# Altium PCB PROC099A_ASCII.PcbDoc (part 1 of 6) (continued)
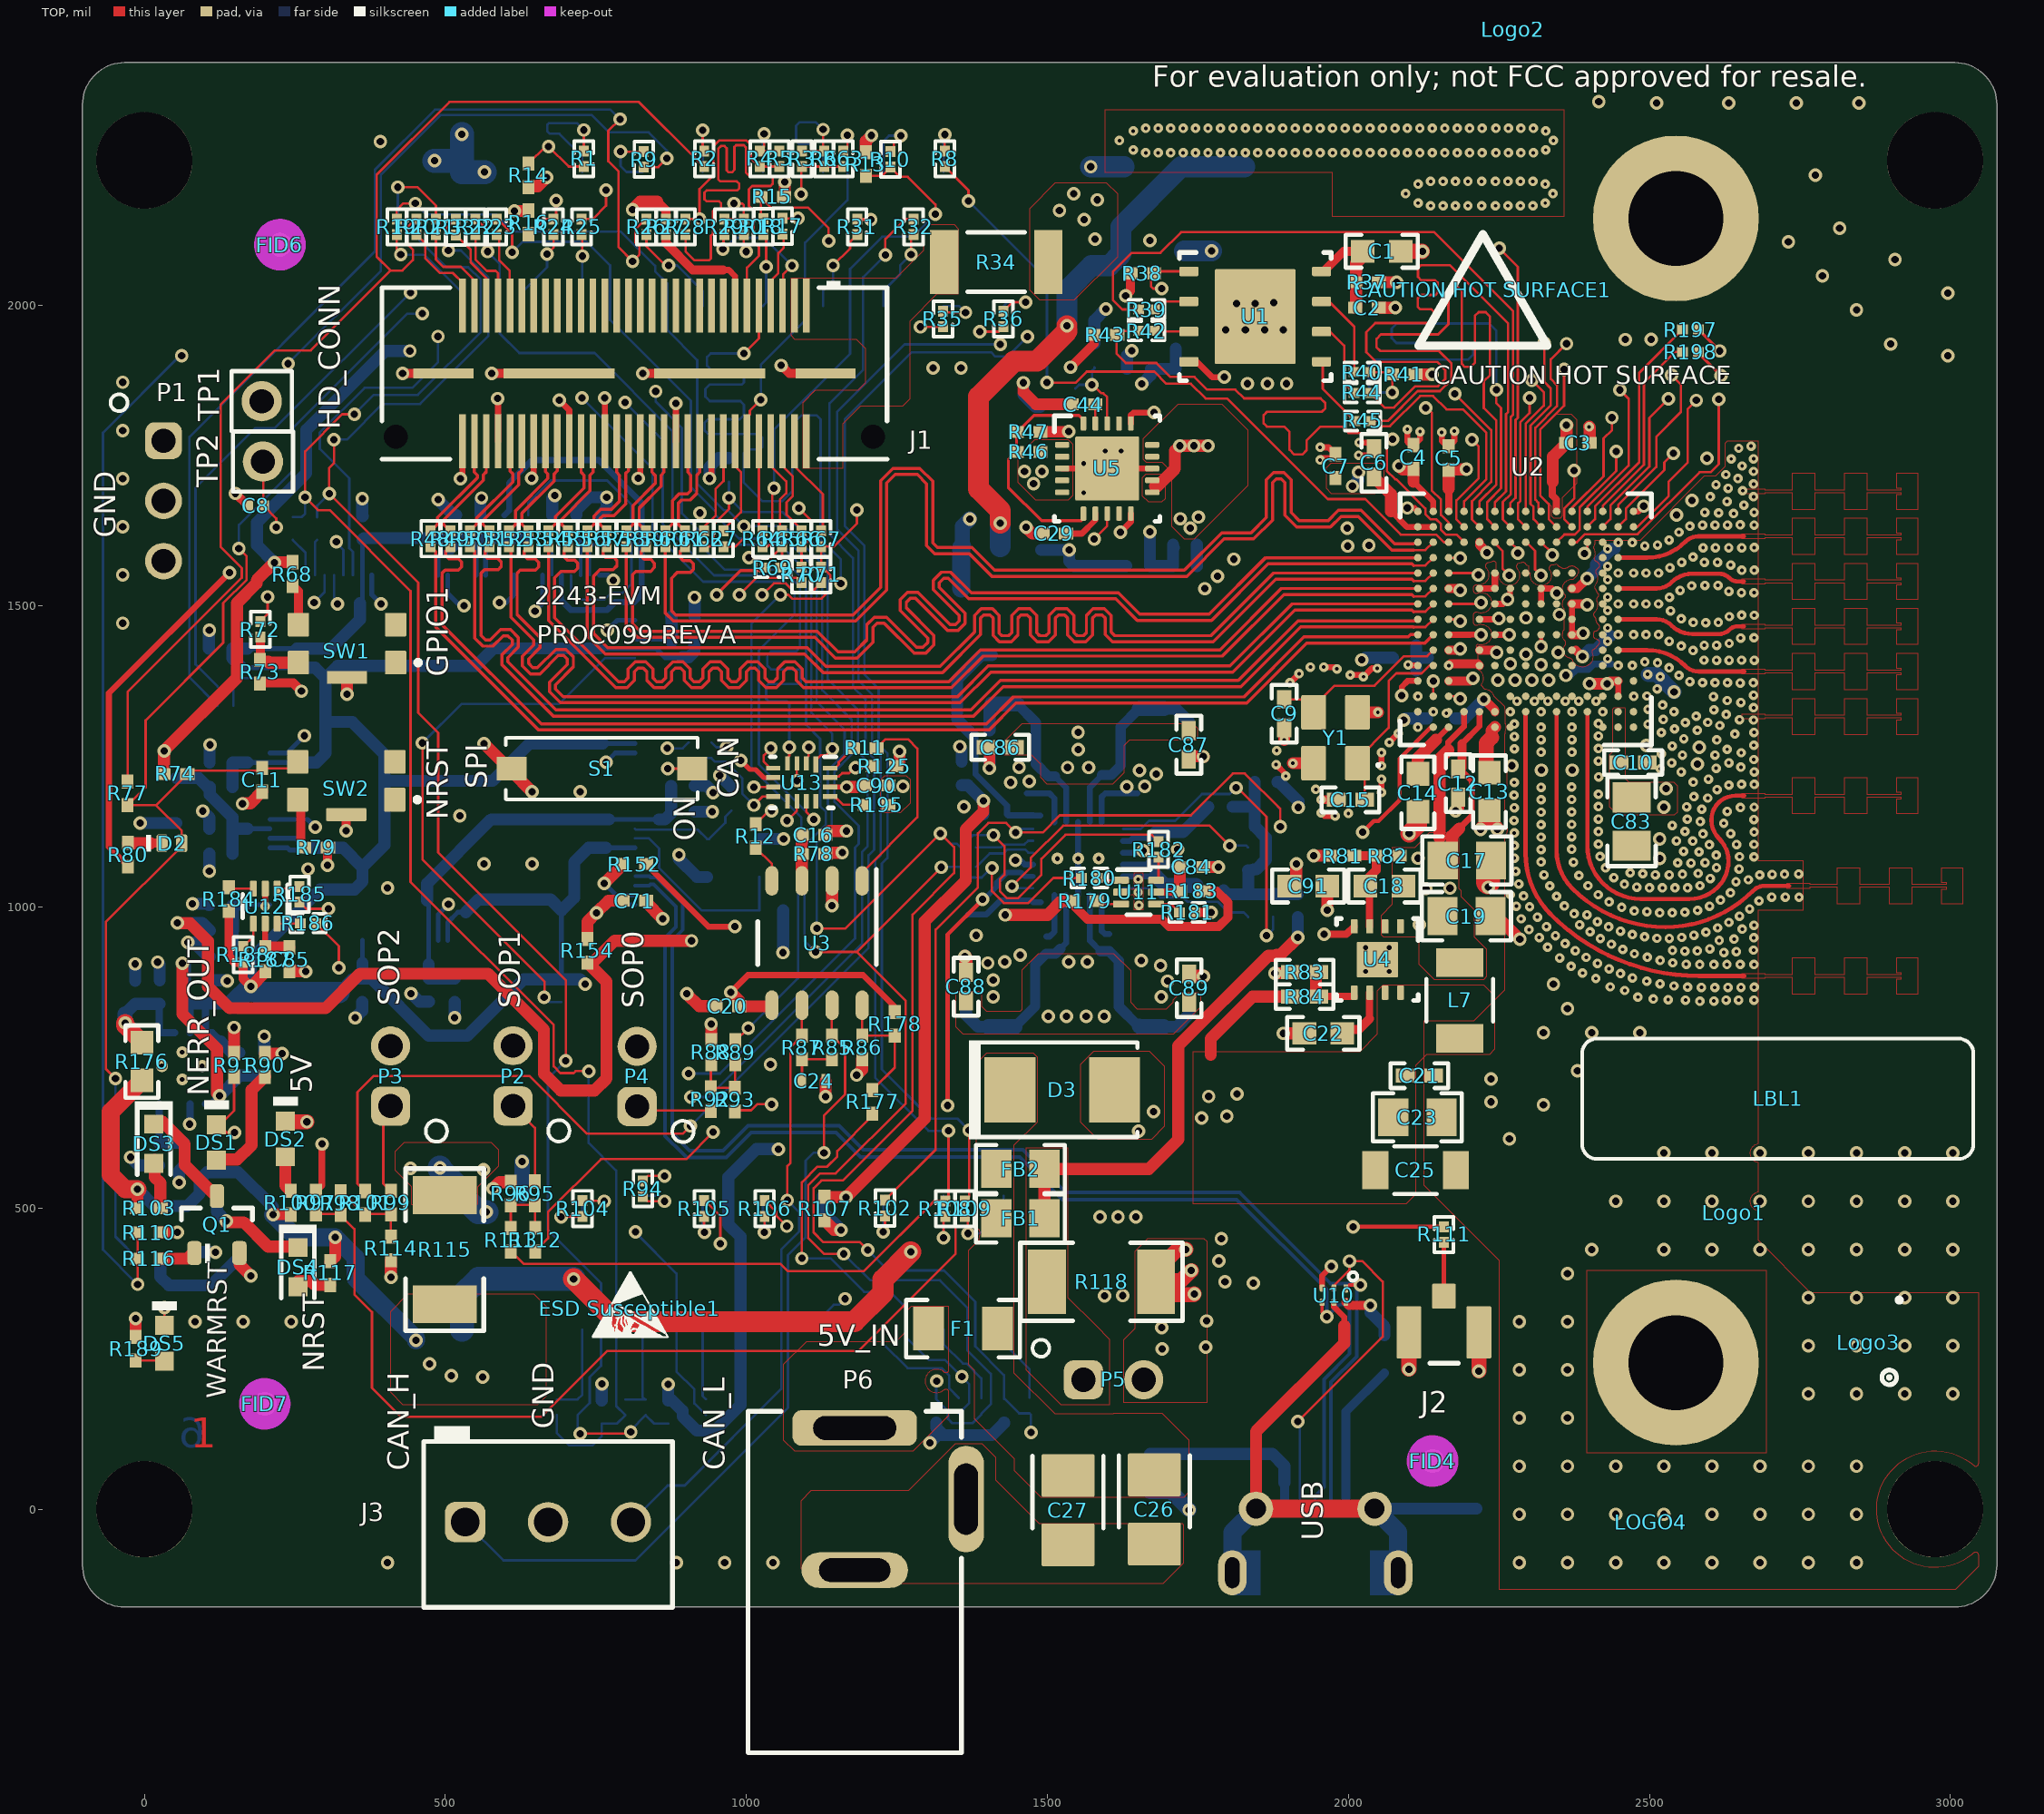
[diagram p0: TOP view]
## Design rules (kind name [scope] priority, off if disabled: settings) (continued)
RoutingPriority [All] p0: scope1count=1 scope1_0_kind=Board scope1_0_value=Board scope2count=1 scope2_0_kind=Board scope2_0_value=Board commentlength=0
RoutingTopology [All] p0: scope1count=1 scope1_0_kind=Board scope1_0_value=Board scope2count=1 scope2_0_kind=Board scope2_0_value=Board commentlength=0 topology=Shortest
RoutingVias [All] p0: scope1count=1 scope1_0_kind=Board scope1_0_value=Board scope2count=1 scope2_0_kind=Board scope2_0_value=Board commentlength=0 holewidth=28 width=50 viastyle="Through Hole" minholewidth=5 minwidth=15 maxholewidth=28 maxwidth=50
RoutingVias [All] p1: holewidth=28 width=50 viastyle="Through Hole" minholewidth=5 minwidth=15 maxholewidth=28 maxwidth=50
ShortCircuit [All] p0: scope1count=1 scope1_0_kind=Board scope1_0_value=Board scope2count=1 scope2_0_kind=Board scope2_0_value=Board commentlength=0 allowed=FALSE
SilkToBoardRegionClearance [All] p0 off: scope1count=1 scope1_0_kind=Board scope1_0_value=Board scope2count=1 scope2_0_kind=Board scope2_0_value=Board commentlength=130 // Protel DXP Scope 1 Expression Was: Not ((IsComment or IsDesignator) And (Hide <> 'False')) and not InRegion(1000,500,4000,800)
SilkToBoardRegionClearance [Not ((IsComment or IsDesignator) And (Hide <> 'False')) and not InRegion(1000,500,4000,800)] p1:
SilkToSilkClearance [All] p0: scope1count=1 scope1_0_kind=Board scope1_0_value=Board scope2count=1 scope2_0_kind=Board scope2_0_value=Board commentlength=0
SilkToSilkClearance [All] p1: silktosilkclearance=3
SilkToSolderMaskClearance [All] p0 off: scope1count=1 scope1_0_kind=Board scope1_0_value=Board scope2count=1 scope2_0_kind=Board scope2_0_value=Board commentlength=44 // Protel DXP Scope 1 Expression Was: IsPad
SilkToSolderMaskClearance [IsPad] p1: minsilkscreentomaskgap=3 clearancetoexposedcopper=TRUE
SolderMaskExpansion [All] p0: scope1count=1 scope1_0_kind=Board scope1_0_value=Board scope2count=1 scope2_0_kind=Board scope2_0_value=Board commentlength=0 expansion=0
SolderMaskExpansion [All] p1: expansion=0
UnRoutedNet [All] p0: scope1count=1 scope1_0_kind=Board scope1_0_value=Board scope2count=1 scope2_0_kind=Board scope2_0_value=Board commentlength=0
UnpouredPolygon [All] p0: scope1count=1 scope1_0_kind=Board scope1_0_value=Board scope2count=1 scope2_0_kind=Board scope2_0_value=Board commentlength=0
Width [All] p0: scope1count=1 scope1_0_kind=Board scope1_0_value=Board scope2count=1 scope2_0_kind=Board scope2_0_value=Board commentlength=0 maxlimit=100 minlimit=4 preferedwidth=10
Width [All] p1: maxlimit=100 minlimit=4 preferedwidth=10
22 further rules are at their usual default settings.

## Classes and differential pairs
component class Shunt: Z19 Z21
net class USB: XDSET_1_D_N XDSET_1_D_P
net class Undefined: NetR128_2
net class SPI: AR_CS1 AR_HOSTINTR1 AR_MISO1 AR_MOSI1 AR_SPICLK1 CS1 D_LOGGER MISO1 MOSI1 NetJ1_7 NetJ1_9 NetJ1_10 NetJ1_11 NetJ1_12 NetJ5_13 NetJ6_12 NetJ6_14 NetJ6_16 SPICLK1
net class RF: RX1 RX2 RX3 RX4 TX1 TX2 TX3
net class QSPI: AR_QSPI_CS AR_QSPI_D0 AR_QSPI_D1 AR_QSPI_D2 AR_QSPI_D3 AR_QSPI_SCLK NetR39_2 NetR40_1 NetR42_2 NetR44_1 NetR45_1
net class PWR: 3V3_BRD 3V3_MON_XDS_1 5V_IN 5V_UNREG +3.3VD AR_1P3_RF1 AR_1P3_RF2 AR_1V2 AR_1V4_APLL AR_1V4_SYNTH AR_1V8 AR_VBGAP AR_VOUT_PA GND MCU_3V3 MCU_5V NetC1_2 NetC18_2 NetC26_1 NetC28_1 NetC46_1 NetC78_1 NetC79_2 NetF1_2 PGOOD PMIC_1V0 PMIC_1V2 PMIC_1V8 PMICOUT_3V3 PMICVIO_3V3 VDDC_1 XDSET_1_VBUS XDSET_VBAT XDSET_VREFA
net class LVDS: AR_LVDS_VALID_N AR_LVDS_VALID_P AR_LVDSCSI0_N AR_LVDSCSI0_P AR_LVDSCSI1_N AR_LVDSCSI1_P AR_LVDSCSI2_N AR_LVDSCSI2_P AR_LVDSCSI3_N AR_LVDSCSI3_P AR_LVDSCSI_CLK_N AR_LVDSCSI_CLK_P AR_LVDSCSI_FRCLK_N AR_LVDSCSI_FRCLK_P HD_LVDS_VALID_N HD_LVDS_VALID_P HD_LVDSCSI0_N HD_LVDSCSI0_P HD_LVDSCSI1_N HD_LVDSCSI1_P HD_LVDSCSI2_N HD_LVDSCSI2_P HD_LVDSCSI3_N HD_LVDSCSI3_P HD_LVDSCSI_CLK_N HD_LVDSCSI_CLK_P HD_LVDSCSI_FRCLK_N HD_LVDSCSI_FRCLK_P
net class JTAG: AR_TCK AR_TDI AR_TDO_SOP0 AR_TMS NetJ1_4 NetJ1_5 NetJ1_6 NetJ1_8 XDSET_TCK XDSET_TDI XDSET_TDO XDSET_TMS
net class GENERAL: AR_ANAMUX AR_ANATEST1 AR_ANATEST2 AR_ANATEST3 AR_ANATEST4 AR_BSS_LOGGER AR_GPIO_0 AR_GPIO_1 AR_GPIO_2 AR_MSS_LOGGER AR_NERR_OUT AR_NERRIN AR_NRST AR_RS232RX AR_RS232TX AR_SCL AR_SDA AR_SYNC_IN AR_SYNC_OUT_SOP1 AR_VSENSE AR_WARMRST LDO_01_EN LDO_02_EN MCU_SOP0 MCU_SOP1 MCU_SOP2 NetC22_1 NetC71_2 NetC86_1 NetC87_1 NetC88_1 NetC89_1 NetD2_1 NetDS1_1 NetDS2_1 NetDS3_1 NetDS3_2 NetDS4_1 NetDS4_2 NetDS5_1 NetJ1_13 NetJ1_14 NetJ1_16 NetJ5_6 NetJ5_8 NetJ5_9 NetJ5_10 NetJ5_12 NetJ5_14 NetJ5_15 NetJ5_16 NetJ5_18 NetJ5_19 NetJ6_1 NetJ6_3 NetJ6_8 NetJ6_9 NetJ6_10 NetJ6_11 NetJ6_13 NetJ6_15 NetJ6_17 NetJ6_18 NetJ6_19 NetQ1_1 NetQ2_1 NetR68_1 NetR72_1 NetR79_2 NetR86_1 NetR88_2 NetR95_1 NetR98_2 NetR123_1 NetR124_1 NetR126_1 NetR127_1 NetR129_2 NetR143_1 NetR144_2 NetR146_1 NetR147_1 NetR152_1 NetR194_2 NetR197_2 NetR198_2 PGOOD PMIC_EN1 PMIC_EN2 PMIC_EN3 PMIC_NRST SS_CTRL SW0 SW1 SW2 SW3 VBUS_1_DETECT XDSET_1_ID XDSET_LOGGER XDSET_NRST
net class CLK: AR_MCUCLKOUT AR_OSC_CLKOUT AR_PMIC_CLKOUT_SOP2 AR_XTALM AR_XTALP NetJ2_1 NetJ5_20 NetJ6_5 PMIC_CLK XDSET_OSC0 XDSET_OSC1
net class CAN: CAN_RX CAN_TX NetC24_2 NetJ3_1 NetJ3_3 NetR11_2 NetR12_2
component class "PROC099A_XDS110 Interface_1B": C49 C63 C66 C67 C70 C71 R123 R124 R126 R127 R128 R129 R134 R135 R136 R140 R152 R154 R155 R194 U6 U7 Y2
component class "PROC099A_XDS110 Interface_1A": C41 C42 C43 C50 C61 C62 C64 C69 C74 C75 C76 C77 C78 C79 C80 J8 R151 R153 R156 R157 R158 R159 R161 R174 R175 R176 U9 U10
component class PROC099A_Tempsensor: C84 C85 R179 R180 R181 R182 R183 R184 R185 R186 R187 R188 U11 U12
component class PROC099A_Decoupling_Caps_Reference: C3 C4 C5 C6 C7 C10 C12 C13 C14 C17 C39 C45 C47 C48 C51 C52 C53 C56 C57 C58 C65 C83
component class PROC099A_QSPI_Flash_Reference: C1 C2 R37 R38 R39 R40 R41 R42 R43 R44 R45 U1
component class PROC099A_Pwr_RST_LEDs: C11 C26 C27 D2 D3 DS1 DS2 DS3 DS4 DS5 F1 FB1 FB2 P5 P6 Q1 Q2 R68 R72 R73 R74 R77 R79 R80 R90 R100 R103 R110 R116 R117 R118 R130 R133 R160 R189 SW1 SW2
component class PROC099A_PMIC_Reference: C54 C55 C59 C60 C68 C72 C73 C81 C82 C86 C87 C88 C89 L1 L2 L3 L4 R138 R139 R141 R142 R143 R144 R145 R146 R147 R148 R149 R150 R190 R191 R192 R193 U8
component class "PROC099A_LP Connector": J4 J5 J6 J7 P1 R1 R2 R3 R4 R5 R6 R8 R9 R10 R18 R19 R24 R25 R26 R31 R32 R35 R36 R76 R94 R102 R104 R105 R106 R107 R108 R109 R115 R162 R163 R164 R165 R166 R167 R168 R169 R172 R173
component class PROC099A_LDO: C18 C21 C22 C23 C25 C28 C29 C30 C31 C32 C35 C37 C40 C44 C46 R46 R47 R81 R82 R83 R84 R119 R120 R121 R122 R131 R132 U4 U5
component class "PROC099A_HD Connector": J1 J2 R7 R17 R20 R21 R22 R23 R27 R28 R29 R30 R33 R34 R48 R49 R50 R51 R52 R53 R54 R55 R56 R57 R58 R59 R60 R61 R62 R63 R64 R65 R66 R67 R69 R70 R71 R75 R111
component class PROC099A_SOP_Headers_Reference: P2 P3 P4 R88 R89 R92 R93 R95 R96 R97 R98 R99 R101 R112 R113 R114
component class "PROC099A_CAN Interface": C16 C20 C24 C90 J3 R11 R12 R78 R85 R86 R87 R125 R177 R178 R195 S1 U3 U13
component class Header: P1 P2 P3 P4 P5
component class Label: LBL1
component class AssemblyNote: ZZ1 ZZ2 ZZ3 ZZ4 ZZ5
component class FiducialMark: FID1 FID2 FID3 FID4 FID5 FID6 FID7
component class PROC099A_Hardware: "CAUTION HOT SURFACE1" "ESD Susceptible1" FID1 FID2 FID3 FID4 FID5 FID6 FID7 LBL1 Logo1 Logo2 Logo3 LOGO4 ZZ1 ZZ2 ZZ3 ZZ4 ZZ5
component class Logo: Logo1
component class PROC099A_DUT_Reference: C8 C9 C15 R13 R14 R15 R16 R91 R170 R171 R196 R197 R198 TP1 TP2 U2 Y1
component class PROC099A_LC_Filtering_Reference: C19 C33 C34 C36 C38 C91 L5 L7 L8 L9 R137
differential pair XDSET_1_D: +XDSET_1_D_P -XDSET_1_D_N
differential pair HD_LVDSCSI_FRCLK: +HD_LVDSCSI_FRCLK_P -HD_LVDSCSI_FRCLK_N
differential pair HD_LVDSCSI_CLK: +HD_LVDSCSI_CLK_P -HD_LVDSCSI_CLK_N
differential pair HD_LVDSCSI3: +HD_LVDSCSI3_P -HD_LVDSCSI3_N
differential pair HD_LVDSCSI2: +HD_LVDSCSI2_P -HD_LVDSCSI2_N
differential pair HD_LVDSCSI1: +HD_LVDSCSI1_P -HD_LVDSCSI1_N
differential pair HD_LVDSCSI0: +HD_LVDSCSI0_P -HD_LVDSCSI0_N
differential pair HD_LVDS_VALID: +HD_LVDS_VALID_P -HD_LVDS_VALID_N
differential pair AR_LVDSCSI_FRCLK: +AR_LVDSCSI_FRCLK_P -AR_LVDSCSI_FRCLK_N
differential pair AR_LVDSCSI_CLK: +AR_LVDSCSI_CLK_P -AR_LVDSCSI_CLK_N
differential pair AR_LVDSCSI3: +AR_LVDSCSI3_P -AR_LVDSCSI3_N
differential pair AR_LVDSCSI2: +AR_LVDSCSI2_P -AR_LVDSCSI2_N
differential pair AR_LVDSCSI1: +AR_LVDSCSI1_P -AR_LVDSCSI1_N
differential pair AR_LVDSCSI0: +AR_LVDSCSI0_P -AR_LVDSCSI0_N
differential pair " ": +AR_LVDS_VALID_P -AR_LVDS_VALID_N

## Components (designator, comment, footprint, x,y, rotation, side; value= is the part's Value field where it differs from the comment)
C1 "GCM188R71C105KA64D" 0603 2055.47,2088.99 r180 top
C2 "CGA2B3X7R1H104K050BB" 0402L 2030.78,1995.26 r180 top
C3 "GCM155R71C224KE02D" 0402L 2381.16,1770.8 r0 top
C4 "GCM155R71C104KA55D" 0402L 2108,1747.43 r90 top
C5 "GCM155R71C224KE02D" 0402L 2166.55,1745.78 r90 top
C6 "GCM155R71C104KA55D" 0402 2042.55,1737.8 r90 top
C7 "GCM155R71C224KE02D" 0402L 1978.55,1732.41 r90 top
C8 "C0603X7S1A104K030BC" 0201_033 184.69,1666.75 r180 top
C9 "GJM1555C1H4R7BB01D" 0402 1893.4,1321.21 r270 top
C10 "GCM155R71C224KE02D" 0402 2473,1240 r0 top
C11 "GCM155R71C104KA55D" 0402L 195.7,1211.25 r90 top
C12 "GCM155R71C224KE02D" 0402 2182.55,1205.8 r270 top
C13 "GCM188R71C105KA64D" 0603 2234.45,1191.9 r270 top
C14 "GCM188R71C105KA64D" 0603 2115.45,1189.8 r270 top
C15 "GJM1555C1H4R7BB01D" 0402 2003.47,1178.2 r0 top
C16 "C0402C104K8RACTU" 0402L 1111.7,1119.67 r180 top
C17 "GCM21BR71A106KE22L" 0805_HV 2196.81,1077.38 r0 top
C18 "GCM188R71C474KA55D" 0603 2059.87,1034.87 r180 top
C19 "GCM21BR71A106KE22L" 0805_HV 2196.23,984.99 r0 top
C20 "C0402C104K8RACTU" 0402L 968.28,835.45 r0 top
C21 "CGA2B3X7R1H104K050BB" 0402 2117.99,720.01 r0 top
C22 "GCM188R71C474KA55D" 0603 1958.47,790.27 r180 top
C23 "GCM21BR71A106KE22L" 0805_HV 2114.63,650.9 r0 top
C24 "GCM155R71H472KA37D" 0402S 1112.06,711.14 r180 top
C25 "CGA5L1X7R0J226M160AC" 1206_180 2111.8,563.22 r0 top
C26 "T491B476K010AT" 3528-21 1677.7,-0.35 r270 top
C27 "T491B476K010AT" 3528-21 1534.3,-1.55 r270 top
C28 "CGA2B3X8R1H103K050BB" 0402L 1732.83,1927.64 r0 bottom
C29 "CGA2B3X8R1H103K050BB" 0402L 1511.34,1620.25 r0 top
C30 "CGA5L1X7R0J226M160AC" 1206_180 1402,1796.5 r270 bottom
C31 "CGA5L1X7R0J226M160AC" 1206_180 1310.2,1796.25 r270 bottom
C32 "GCM21BR71A106KE22L" 0805 1487.95,1795 r270 bottom
C33 "GCM188R71C105KA64D" 0603 1802.6,1785.62 r270 bottom
C34 "GCM21BR71A106KE22L" 0805_HV 1875,1790 r270 bottom
C35 "GCM21BR71A106KE22L" 0805_HV 1955,1790 r270 bottom
C36 "GCM188R71C105KA64D" 0603 1802.53,1642.85 r90 bottom
C37 "GCM21BR71A106KE22L" 0805_HV 1955,1640.8 r90 bottom
C38 "GCM21BR71A106KE22L" 0805_HV 1875,1640.8 r90 bottom
C39 "GCM155R71C224KE02D" 0402L 2465,1595 r0 bottom
C40 "GCM21BR71A106KE22L" 0805_HV1 1489.95,1632.3 r90 bottom
C41 "GCM155C71A105KE38D" 0402_070 558.3,1631.85 r90 bottom
C42 "C0402C104K8RACTU" 0402L 518.22,1631.85 r270 bottom
C43 "C0402C104K8RACTU" 0402L 362.52,1629.85 r270 bottom
C44 "CGA2B3X8R1H103K050BB" 0402L 1559.98,1834.93 r0 top
C45 "GCM21BR71A106KE22L" 0805_HV1 2575,1570 r180 bottom
C46 "CGA2B3X8R1H103K050BB" 0402L 1728.5,1566.52 r0 bottom
C47 "GCM155R71C224KE02D" 0402L 2465,1555 r0 bottom
C48 "GCM155R71C224KE02D" 0402 2077.55,1552.7 r90 bottom
C49 "C0402C104K8RACTU" 0402L 894.35,1481.9 r180 bottom
C50 "C0402C103K4RACTU" 0402S 126.65,1429.4 r180 bottom
C51 "GCM155R71C224KE02D" 0402 2435.27,1426.58 r270 bottom
C52 "GCM21BR71A106KE22L" 0805_HV 2498.15,1421.4 r270 bottom
C53 "GCM155R71C224KE02D" 0402 2093.35,1414 r180 bottom
C54 "GCM31CR71A226KE02" 1206_180 1592.83,1428.59 r90 bottom
C55 "GCM31CR71A226KE02" 1206_180 1506.18,1429.62 r90 bottom
C56 "GCM155R71C224KE02D" 0402 2153.83,1313.3 r180 bottom
C57 "GCM155R71C224KE02D" 0402 2458.2,1287.95 r270 bottom
C58 "GCM21BR71A106KE22L" 0805 2541.18,1281.31 r270 bottom
C59 "GCM21BR71A106KE22L" 0805_HV1 1480.85,1272.15 r180 bottom
C60 "GCM21BR71A106KE22L" 0805_HV1 1621.95,1271.3 r0 bottom
C61 "GCM155C71A105KE38D" 0402_070 127.65,1240.06 r180 bottom
C62 "GCM155C71A105KE38D" 0402_070 894.65,1201.5 r0 bottom
C63 "GCM1555C1H8R0DA16D" FP-GCM1555C1H8R0DA16_0402-MFG 1041.3,994.36 r0 bottom
C64 "C0402C104K8RACTU" 0402L 894.65,1158.3 r180 bottom
C65 "GCM21BR71A106KE22L" 0805_HV 2476.6,1139.95 r270 bottom
C66 "C0402C103K4RACTU" 0402L 127.19,1130.1 r0 bottom
C67 "C0402C104K8RACTU" 0402L 127.25,1088.8 r0 bottom
C68 "GCM155R71C224KE02D" 0402L 1739.45,1067 r180 bottom
C69 "C0402C103K4RACTU" 0402L 127.65,1003.56 r0 bottom
C70 "GCM1555C1H8R0DA16D" FP-GCM1555C1H8R0DA16_0402-MFG 975,1179.85 r90 bottom
C71 "C0402C104K8RACTU" 0402L 814,1010.5 r180 top
C72 "GCM21BR71A106KE22L" 0805_HV1 1618.65,868.7 r0 bottom
C73 "GCM21BR71A106KE22L" 0805_HV1 1479.85,868.7 r180 bottom
C74 "C1005X7S1A225K050BC" 0402_065L 515.6,862.15 r90 bottom
C75 "C0402C104K8RACTU" 0402L 472.68,862.15 r90 bottom
C76 "C0402C104K8RACTU" 0402L 361.92,861.85 r90 bottom
C77 "C1005X7S1A225K050BC" 0402_065L 107.82,859.15 r270 bottom
C78 "04025A150FAT2A" 0402L 67.1,859.15 r270 bottom
C79 "C0402C104K8RACTU" 0402L 25.62,858.85 r270 bottom
C80 "C1005X7S1A225K050BC" 0402_065L -15.4,858.5 r270 bottom
C81 "GCM31CR71A226KE02" 1206_180 1499.96,711.43 r270 bottom
C82 "GCM31CR71A226KE02" 1206_180 1597.69,711.75 r270 bottom
C83 "GCM21BR71A106KE22L" 0805_HV 2470.42,1141.98 r270 top
C84 "C0402C104K8RACTU" 0402L 1739.35,1066.5 r180 top
C85 "C0402C104K8RACTU" 0402L 241.11,913.35 r270 top
C86 "GRM1555C1H391JA01D" 0402 1421.7,1265.35 r0 top
C87 "GRM1555C1H391JA01D" 0402 1735,1269.65 r90 top
C88 "GRM1555C1H391JA01D" 0402 1365.04,867.78 r270 top
C89 "GRM1555C1H391JA01D" 0402 1735.6,865.35 r270 top
C90 "C0402C104K8RACTU" 0402L 1216.27,1201.97 r180 top
C91 "GCM188R71C105KA64D" 0603 1933.5,1034.87 r0 top
"CAUTION HOT SURFACE1" "CAUTION HOT SURFACE" IEC_HotSurface_Small 2223.32,2025.12 r0 top
D2 "SMS3923-040LF" SOD-882 45.81,1106.06 r0 top locked
D3 "SZP6SMB6.8AT3G" SMB 1524.64,696.5 r0 top
DS1 "SML-LX0603SRW-TR" SML-LX0603SRW_SuperRed 119.71,609.17 r90 top
DS2 "SML-LX0603SRW-TR" SML-LX0603SRW_SuperRed 234.35,614.83 r90 top
DS3 "SML-E12Y8WT86" SML-E1_Yellow 15.8,607.06 r270 top
DS4 "SML-E12Y8WT86" SML-E1_Yellow 255.01,402.19 r270 top
DS5 "SML-LX0603SRW-TR" SML-LX0603SRW_SuperRed 33.45,275.58 r90 top
"ESD Susceptible1" "ESD Susceptible" ESD_Overlay_Small 806.3,333.85 r0 top
F1 "32V, 5A" 1206 1360,300 r180 top
FB1 "BLM21PG300SH1D" 0805_HV 1455.18,483.01 r0 top
FB2 "BLM21PG300SH1D" 0805_HV 1455.18,565.13 r0 top
FID1 "Fiducial" Fiducial10-20 225,2200 r90 bottom
FID2 "Fiducial" Fiducial10-20 200,70 r90 bottom
FID3 "Fiducial" Fiducial10-20 2925,2008 r90 bottom
FID4 "Fiducial" Fiducial10-20 2140,80 r90 top
FID5 "Fiducial" Fiducial10-20 2140,80 r90 bottom
FID6 "Fiducial" Fiducial10-20 225.13,2099.98 r90 top
FID7 "Fiducial" Fiducial10-20 200,175 r90 top
J1 "QSH-030-01-L-D-A" Samtec_QSH-030-01-X-D-A 814.05,1886.26 r270 top locked
J2 "128-0711-201" Johnson_128-0711-201 2158.71,293.72 r0 top
J3 "OSTTE030161" On-Shore_OSTTE030161 670.6,-21.34 r0 top
J4 "SSM-103-S-SV" Samtec_SSM-103-x-SV 1727.5,2159.5 r0 bottom
J5 "SSM-110-S-DV" Samtec_SSM-110-x-DV 977.5,409.5 r0 bottom locked
J6 "SSM-110-S-DV" Samtec_SSM-110-x-DV 977.5,2109.5 r0 bottom locked
J7 "SSM-103-S-SV" Samtec_SSM-103-x-SV 1727.5,359.5 r0 bottom
J8 "105017-0001" CONN_105017-0001 1945,-52.27 r180 bottom locked
L1 "DFE252012P-R47M=P2" DFE252012P 1694.05,1366.3 r90 bottom
L2 "DFE252012P-R47M=P2" DFE252012P 1407.85,1376.9 r90 bottom
L3 "DFE252012P-R47M=P2" DFE252012P 1693.55,761.8 r270 bottom
L4 "DFE252012P-R47M=P2" DFE252012P 1401.55,761.8 r270 bottom
L5 "NLCV32T-R10M-EFRD" NLCV32 1677.4,1699.74 r0 bottom
L7 "NLCV32T-R10M-EFRD" NLCV32 2185,845 r90 top
L8 "NLCV32T-R10M-EFRD" NLCV32 1677.4,1817.43 r0 bottom
L9 "NLCV32T-R10M-EFRD" NLCV32 1740.13,1487.07 r0 bottom
LBL1 "Label" Label_650x200 2713.27,681.66 r0 top locked
Logo1 "Texas Instruments" TI_Stacked_Overlay_Small 2640.11,492.24 r0 top
Logo2 "FCC disclaimer" FCC_disclaimer 2273.36,2458.06 r0 top
Logo3 "WEEE logo" WEEE_Minimum 2864.39,277.26 r0 top
LOGO4 "CE Mark" CE_Mark_5mm 2502.7,-21.5 r0 top
P1 "TSW-103-07-T-S" Samtec_TSW-103-07-T-S 31.94,1674.53 r270 top
P2 "TSW-102-07-G-S" TSW-102-07-G-S 612.44,719.75 r90 top
P3 "TSW-102-07-G-S" TSW-102-07-G-S 409,719.42 r90 top
P4 "TSW-102-07-G-S" TSW-102-07-G-S 818.44,718.75 r90 top
P5 "TSW-102-07-G-S" TSW-102-07-G-S 1610,215 r0 top
P6 "PJ-002AH" CUI_PJ-002AH 1180,16.89 r270 top
Q1 "BSS123" SOT-23 120.58,472.75 r90 top
Q2 "BSS123" SOT-23 120.62,472.17 r90 bottom
R1 "CRCW02010000Z0ED" 0201_Silk 730.05,2242.72 r270 top
R2 "CRCW02010000Z0ED" 0201_Silk 930.05,2242.72 r270 top
R3 "CRCW02010000Z0ED" 0201_Silk 1092.38,2242.72 r270 top
R4 "CRCW02010000Z0ED" 0201_Silk 1022.55,2242.72 r270 top
R5 "CRCW02010000Z0ED" 0201_Silk 1054.91,2242.72 r270 top
R6 "CRCW02010000Z0ED" 0201_Silk 1129,2242.72 r270 top
R7 "CRCW02010000Z0ED" 0201_Silk 962.11,1611.72 r270 top
R8 "CRCW02010000Z0ED" 0201_Silk 1329.55,2242.72 r270 top
R9 "CRCW02010000Z0ED" 0201_Silk 829.75,2241.72 r270 top
R10 "CRCW02010000Z0ED" 0201_Silk 1239.25,2241.72 r270 top
R11 "ERJ-2GE0R00X" 0402L 1196.59,1264.15 r0 top
R12 "ERJ-2GE0R00X" 0402L 1015.51,1118 r270 top
R13 "CRCW040210K0FKED" 0402L 1198.4,2234.05 r270 top
R14 "CRCW040210K0FKED" 0402L 638.26,2215.06 r270 top
R15 "CRCW040210K0FKED" 0402L 1042.8,2179.56 r0 top
R16 "CRCW040210K0FKED" 0402L 638.2,2137.15 r90 top
R17 "CRCW02010000Z0ED" 0201_Silk 1060.25,2130.72 r270 top
R18 "CRCW02010000Z0ED" 0201_Silk 1028.21,2130.07 r270 top
R19 "CRCW02010000Z0ED" 0201_Silk 419.25,2129.72 r270 top
R20 "CRCW02010000Z0ED" 0201_Silk 452.11,2129.72 r270 top
R21 "CRCW02010000Z0ED" 0201_Silk 484.35,2129.72 r270 top
R22 "CRCW02010000Z0ED" 0201_Silk 550.11,2129.72 r270 top
R23 "CRCW02010000Z0ED" 0201_Silk 585.61,2129.72 r270 top
R24 "CRCW02010000Z0ED" 0201_Silk 679.75,2129.72 r270 top
R25 "CRCW02010000Z0ED" 0201_Silk 726.25,2129.72 r270 top
R26 "CRCW02010000Z0ED" 0201_Silk 834.11,2129.72 r270 top
R27 "CRCW02010000Z0ED" 0201_Silk 866.61,2129.72 r270 top
R28 "CRCW02010000Z0ED" 0201_Silk 899.11,2129.72 r270 top
R29 "CRCW02010000Z0ED" 0201_Silk 963.83,2129.72 r270 top
R30 "CRCW02010000Z0ED" 0201_Silk 995.75,2129.72 r270 top
R31 "CRCW02010000Z0ED" 0201_Silk 1184,2129.68 r270 top
R32 "CRCW02010000Z0ED" 0201_Silk 1277.55,2129.72 r270 top
R33 "CRCW02010000Z0ED" 0201_Silk 517.39,2129.28 r270 top
R34 "CRCW20100000Z0EF" 2010L 1415.06,2071.26 r0 top
R35 "CRCW02010000Z0ED" 0201_Silk 1326.75,1976.72 r90 top
R36 "CRCW02010000Z0ED" 0201_Silk 1427.25,1976.72 r90 top
R37 "ERJ-2GE0R00X" 0402L 2030.93,2037.7 r180 top
R38 "CRCW040247K5FKED" 0402L 1657.69,2052.34 r180 top
R39 "CRCW020133R2FNED" 0201_Silk 1664.78,1992.45 r0 top
R40 "CRCW020133R2FNED" 0201_Silk 2022.78,1888.35 r0 top
R41 "CRCW040210K0FKED" 0402L 2091.65,1884.48 r0 top
R42 "CRCW020133R2FNED" 0201_Silk 1664.78,1956.85 r0 top
R43 "CRCW040210K0FKED" 0402L 1596.29,1950.4 r180 top
R44 "CRCW020133R2FNED" 0201_Silk 2022.78,1853.85 r0 top
R45 "CRCW020133R2FNED" 0201_Silk 2023.78,1807.35 r0 top
R46 "CRCW040210K0FKED" 0402L 1468.54,1756.11 r180 top
R47 "CRCW040210K0FKED" 0402L 1468.54,1788.74 r0 top
R48 "CRCW02010000Z0ED" 0201_Silk 475.61,1611.72 r270 top
R49 "CRCW02010000Z0ED" 0201_Silk 508.25,1611.72 r270 top
R50 "CRCW02010000Z0ED" 0201_Silk 540.75,1611.72 r270 top
R51 "CRCW02010000Z0ED" 0201_Silk 573.25,1611.72 r270 top
R52 "CRCW02010000Z0ED" 0201_Silk 605.75,1611.72 r270 top
R53 "CRCW02010000Z0ED" 0201_Silk 638.25,1611.72 r270 top
R54 "CRCW02010000Z0ED" 0201_Silk 671.35,1611.72 r270 top
R55 "CRCW02010000Z0ED" 0201_Silk 703.85,1611.72 r270 top
R56 "CRCW02010000Z0ED" 0201_Silk 735.75,1611.72 r270 top
R57 "CRCW02010000Z0ED" 0201_Silk 768.05,1611.72 r270 top
R58 "CRCW02010000Z0ED" 0201_Silk 800.55,1611.72 r270 top
R59 "CRCW02010000Z0ED" 0201_Silk 833.05,1611.72 r270 top
R60 "CRCW02010000Z0ED" 0201_Silk 865.55,1611.72 r270 top
R61 "CRCW02010000Z0ED" 0201_Silk 897.75,1611.72 r270 top
R62 "CRCW02010000Z0ED" 0201_Silk 929.85,1611.72 r270 top
R63 "CRCW02010000Z0ED" 0201_Silk 1161.25,2242.72 r270 top
R64 "CRCW02010000Z0ED" 0201_Silk 1026.61,1611.72 r270 top
R65 "CRCW02010000Z0ED" 0201_Silk 1059.25,1611.72 r270 top
R66 "CRCW02010000Z0ED" 0201_Silk 1091.75,1611.72 r270 top
R67 "CRCW02010000Z0ED" 0201_Silk 1124.25,1611.72 r270 top
R68 "ERJ-2GEJ101X" 0402L 246.04,1553.15 r90 top
R69 "CRCW02010000Z0ED" 0201_Silk 1044.1,1563.62 r180 top
R70 "CRCW02010000Z0ED" 0201_Silk 1091.33,1551.72 r270 top
R71 "CRCW02010000Z0ED" 0201_Silk 1124.33,1551.72 r270 top
R72 "CRCW02010000Z0ED" 0201_Silk 192.5,1461.25 r90 top
R73 "CRCW040210K0FKED" 0402L 192.05,1390.92 r90 top
R74 "CRCW040210K0FKED" 0402L 51.65,1221.14 r180 top
R75 "CRCW02010000Z0ED" 0201_Silk 904.07,1260.47 r90 bottom
R76 "CRCW02010000Z0ED" 0201_Silk 941.93,1260.47 r90 bottom
R77 "ERJ-2GEJ101X" 0402L -27.74,1188.85 r270 top
R78 "ERJ-2GE0R00X" 0402L 1111.7,1088.29 r0 top
R79 "ERJ-2GEJ101X" 0402L 285.35,1098.84 r180 top
R80 "ERJ-2GEJ101X" 0402L -27.26,1087.15 r90 top
R81 "CRCW040210K0FKED" 0402L 1989.89,1085.17 r0 top
R82 "CRCW040212K7FKED" 0402L 2065.31,1085.13 r0 top
R83 "CRCW040210K0FKED" 0402 1927.35,892.02 r0 top
R84 "CRCW040210K0FKED" 0402 1927.35,851.22 r180 top
R85 "CRCW040261R9FKED" 0402L 1142.37,766.8 r90 top
R86 "CRCW040210K0FKED" 0402L 1192.37,766.8 r270 top
R87 "CRCW040261R9FKED" 0402L 1092.37,766.8 r270 top
R88 "CRCW040282K5FKED" 0402L 941.42,759.15 r270 top
R89 "CRCW040210K0FKED" 0402L 981.88,758.85 r270 top
R90 "ERJ-2GEJ361X" 0402L 200.46,737.79 r90 top
R91 "CRCW040210K0FKED" 0402L 149,737.88 r90 top
R92 "CRCW04027K87FKED" 0402L 940.92,681.15 r270 top
R93 "CRCW0402750RFKED" 0402L 981.12,680.36 r270 top
R94 "CRCW02010000Z0ED" 0201_Silk 828.25,532.28 r90 top
R95 "CRCW04027K87FKED" 0402L 648.82,524.55 r90 top
R96 "CRCW040282K5FKED" 0402L 608.78,524.25 r270 top
R97 "ERJ-2GE0R00X" 0402L 285,509.15 r90 top
R98 "CRCW040210K0FKED" 0402L 325.82,508.36 r90 top
R99 "CRCW04027K87FKED" 0402L 409.62,509.15 r90 top
R100 "ERJ-2GEJ511X" 0402L 242.91,509.06 r270 top
R101 "CRCW0402750RFKED" 0402L 366.98,508.85 r90 top
R102 "CRCW02010000Z0ED" 0201_Silk 1230.25,500.28 r90 top
R103 "ERJ-2GEJ511X" 0402L 7.57,500.07 r180 top
R104 "CRCW02010000Z0ED" 0201_Silk 727.75,499.28 r90 top
R105 "CRCW02010000Z0ED" 0201_Silk 929.75,499.28 r90 top
R106 "CRCW02010000Z0ED" 0201_Silk 1030.25,499.28 r90 top
R107 "ERJ-2GE0R00X" 0402L 1129.75,499.28 r90 top
R108 "CRCW02010000Z0ED" 0201_Silk 1330.35,499.08 r90 top
R109 "CRCW02010000Z0ED" 0201_Silk 1362.85,499.08 r90 top
R110 "CRCW0402100KFKED" 0402L 7.72,459.77 r180 top
R111 "CRCW02010000Z0ED" 0201_Silk 2158.86,456.17 r270 top
R112 "CRCW0402750RFKED" 0402L 649.32,447.55 r270 top
R113 "CRCW040210K0FKED" 0402L 608.92,447.55 r90 top
R114 "CRCW040282K5FKED" 0402L 409.52,433.15 r90 top
R115 "CRCW20100000Z0EF" 2010 498.73,431.05 r270 top
R116 "ERJ-2GEJ511X" 0402L 7.78,416.33 r0 top
R117 "ERJ-2GEJ511X" 0402L 308.61,392.15 r90 top
R118 "CRCW20100000Z0EF" 2010 1589.87,377.74 r0 top
R119 "ERJ-2GE0R00X" 0402L 1577.96,1916.14 r270 bottom
R120 "ERJ-2GE0R00X" 0402L 1546.63,1841.79 r270 bottom
R121 "CRCW04023K00FKED" 0402L 1652.02,1893.62 r0 bottom
R122 "CRCW04021K96FKED" 0402L 1732.83,1893.62 r0 bottom
R123 "CRCW04021K00FKED" 0402L 757.28,1632.15 r90 bottom
R124 "CRCW04021K00FKED" 0402L 637.72,1631.85 r270 bottom
R125 "CRCW040210K0FKED" 0402L 1229.27,1234.12 r0 top
R126 "CRCW04021K00FKED" 0402L 717.68,1632.15 r90 bottom
R127 "CRCW04021K00FKED" 0402L 598.12,1631.85 r270 bottom
R128 "ERJ-2GE0R00X" 0402L 246.5,1628.85 r270 bottom
R129 "ERJ-2GE0R00X" 0402L 287,1628.5 r270 bottom
R130 "MCT06030Z0000ZP500" 0603 1390.31,1598.71 r180 bottom
R131 "CRCW04021K96FKED" 0402L 1728.74,1601.78 r0 bottom
R132 "CRCW04023K00FKED" 0402L 1650.78,1566.52 r0 bottom
R133 "MCT06030Z0000ZP500" 0603 1388.69,1529.05 r180 bottom
R134 "CRCW040249R9FKED" 0402L 894.65,1440.6 r0 bottom
R135 "CRCW02010000Z0ED" 0201_Silk 134.78,1366.19 r0 bottom
R136 "CRCW02010000Z0ED" 0201_Silk 134.78,1334.29 r0 bottom
R137 "MCT06030Z0000ZP500" 0603 2628.57,1278.19 r270 bottom
R138 "CRCW0402100KFKED" 0402L 1357.78,1221.96 r270 bottom
R139 "CRCW04021K96FKED" 0402L 1863.35,1207.54 r180 bottom
R140 "CRCW04021K00FKED" 0402L 127.65,1199.52 r0 bottom
R141 "ERJ-2GE0R00X" 0402L 1413.4,1154.01 r180 bottom
R142 "ERJ-2RKF4991X" 0402L 1863.35,1167.04 r180 bottom
R143 "CRCW04024K99FKED" 0402L 1786.35,1166.5 r0 bottom
R144 "CRCW02010000Z0ED" 0201_Silk 1368.78,1066.69 r0 bottom
R145 "CRCW040210K0FKED" 0402L 1833.44,1080.15 r270 bottom
R146 "CRCW02010000Z0ED" 0201_Silk 1368.78,1099.19 r180 bottom
R147 "CRCW04024K99FKED" 0402L 1774,1027.5 r0 bottom
R148 "CRCW040210K0FKED" 0402L 1875,1002.5 r90 bottom
R149 "ERJ-2GEJ102X" 0402L 1916.14,1002.15 r270 bottom
R150 "ERJ-2RKF4991X" 0402L 1833.74,1002.15 r270 bottom
R151 "CRCW0402330KFKED" 0402L 127.65,961.04 r180 bottom
R152 "ERJ-2GE0R00X" 0402L 814,1071.5 r0 top
R153 "CRCW0402330KFKED" 0402L 127.65,917.74 r0 bottom
R154 "ERJ-2GEJ101X" 0402L 736,927.5 r270 top
R155 "CRCW040210K0FKED" 0402L 692.78,861.15 r90 bottom
R156 "CRCW040249K9FKED" 0402L 158.03,739.19 r90 bottom
R157 "CRCW040230K0FKED" 0402L 199.2,738.85 r270 bottom
R158 "CRCW0402100KFKED" 0402L 65.68,589.85 r90 bottom
R159 "ERJ-2GE0R00X" 0402L 24.43,589.71 r90 bottom
R160 "ERJ-2GEJ511X" 0402L 7.7,415.91 r0 bottom
R161 "MCT06030Z0000ZP500" 0603 2060,257.5 r90 bottom
R162 "CRCW02010000Z0ED" 0201_Silk 1470.25,172.28 r90 bottom
R163 "CRCW02010000Z0ED" 0201_Silk 1390.25,171.72 r90 bottom
R164 "CRCW02010000Z0ED" 0201_Silk 1352.75,171.72 r90 bottom
R165 "CRCW02010000Z0ED" 0201_Silk 932.75,169.72 r90 bottom
R166 "CRCW02010000Z0ED" 0201_Silk 832.75,169.28 r90 bottom
R167 "CRCW02010000Z0ED" 0201_Silk 799.13,169.28 r90 bottom
R168 "CRCW02010000Z0ED" 0201_Silk 719.63,169.28 r90 bottom
R169 "CRCW02010000Z0ED" 0201_Silk 685.13,169.28 r90 bottom
R170 "CRCW04022K94FKED" 0402 1428.02,163.85 r270 bottom
R171 "CRCW04022K94FKED" 0402 1315.37,163.85 r270 bottom
R172 "CRCW0402100KFKED" 0402L 870.18,161.15 r90 bottom
R173 "CRCW0402100KFKED" 0402L 759.88,161.15 r90 bottom
R174 "CRCW040230K0FKED" 0402L 2212.4,-18.11 r90 bottom
R175 "MCT06030Z0000ZP500" 0603 1671,60.5 r90 bottom
R176 "MCT06030Z0000ZP500" 0603 -4,743.5 r270 top
R177 "ERJ-2GE0R00X" 0402L 1209.5,676.57 r270 top
R178 "CRCW040210K0FKED" 0402L 1246.5,806.17 r270 top
R179 "CRCW040210K0FKED" 0402L 1562.35,1009.92 r180 top
R180 "CRCW02010000Z0ED" 0201_Silk 1569.78,1048.33 r0 top
R181 "CRCW02010000Z0ED" 0201_Silk 1732.22,991.17 r0 top
R182 "CRCW02010000Z0ED" 0201_Silk 1684.67,1095.78 r90 top
R183 "ERJ-2GE0R00X" 0402L 1739.65,1026.68 r0 top
R184 "CRCW040210K0FKED" 0402L 140.38,1013.35 r270 top
R185 "CRCW02010000Z0ED" 0201_Silk 257.83,1021.22 r90 top
R186 "CRCW02010000Z0ED" 0201_Silk 271.78,973.33 r0 top
R187 "ERJ-2GE0R00X" 0402L 200.98,913.35 r270 top
R188 "CRCW02010000Z0ED" 0201_Silk 163.83,921.22 r90 top
R189 "ERJ-2GEJ361X" 0402L -14.4,266.73 r90 top
R190 "CRCW04023R83FKED" 0402L 1403.85,1273.74 r90 bottom
R191 "CRCW04023R83FKED" 0402L 1734.8,1267.65 r90 bottom
R192 "CRCW04023R83FKED" 0402L 1364.9,867.35 r270 bottom
R193 "CRCW04023R83FKED" 0402L 1735.6,865.35 r270 bottom
R194 "CRCW04024K87FKED" 0402L 677.52,1631.85 r270 bottom
R195 "CRCW040210K0FKED" 0402L 1216.27,1169.81 r0 top
R196 "CRCW040210K0FKED" 0402L 971,1725.91 r270 bottom
R197 "CRCW02010000Z0ED" 0201 2568,1959 r180 top
R198 "CRCW02010000Z0ED" 0201 2568,1922 r180 top
S1 "CHS-01TB" SW_CHS-01TB 760,1230 r90 top locked
SW1 "KMR243GLFG" SW_KMR243GLFG 336.65,1437.52 r180 top
SW2 "KMR243GLFG" SW_KMR243GLFG 335.35,1209.76 r180 top
TP1 "TSW-101-17-T-S" Samtec_TSW-101-17-T-S 195,1840 r0 top
TP2 "TSW-101-17-T-S" Samtec_TSW-101-17-T-S 196.94,1739.77 r0 top
U1 "MX25V1635FZNQ" WSON-8L_6x5MM_EP 1845.23,1980.68 r0 top
U2 "AWR1243FBIGABLQ1" ABL0161A 2294.55,1477.9 r180 top locked
U3 "TCAN1042HGVDQ1" D0008A_L 1117.37,940.26 r270 top
U4 "TPS7A8101QDRBRQ1" DRB0008A 2048.18,912.92 r270 top
U5 "TPS7A8801RTJR" RTJ0020D 1599.35,1728.32 r0 top
U6 "TM4C1294NCPDTT3" PDT0128A 511.79,1248.04 r0 bottom
U7 "LM4040C25QDBZR" DBZ0003A_N 8.08,1177.09 r180 bottom
U8 "LP87524JRNFRQ1" RNF0026C 1551,1080.5 r0 bottom locked
U9 "TPS79601DRBR" DRB0008B 62.83,736.32 r270 bottom
U10 "TPD4E004DRYR" DRY0006A 1976,355.5 r270 top
U11 "TMP112AIDRLR" DRL0006A 1651.46,1024.75 r0 top
U12 "TMP112AIDRLR" DRL0006A 200.81,1001.54 r270 top
U13 "TS3A5018RSVR" RSV0016A 1091.86,1207.21 r270 top
Y1 "CX3225SA40000D0PTWCC" Kyocera_CX3225SA 1978.72,1281.14 r180 top
Y2 "NX3225SA-16.000M-STD-CRS-2" NDK_NX3225SA 978.31,1081.5 r270 bottom
ZZ1 "This Assembly Note is for PCB labels only" AssemblyNoteLabel -484.07,3129.33 r0 top
ZZ2 "These assemblies are ESD sensitive, ESD precautions shall be observed." AssemblyNote -484.07,3020.44 r0 top
ZZ3 "These assemblies must be clean and free from flux and all contaminants. Use of no clean flux is not acceptable." AssemblyNote -484.07,2931.89 r0 top
ZZ4 "These assemblies must comply with workmanship standards IPC-A-610 Class 2, unless otherwise specified." AssemblyNote -484.07,2843.33 r0 top
ZZ5 "Micro USB cable, Brackets, Screws, Nuts, Jumpers and Bump on need to be placed in a plastic bag" AssemblyNote -485.07,2750.33 r0 top

## Footprints (in the part's own frame and the unit in brackets; to place one, negate y for a bottom-side part, rotate by r counter-clockwise, add the part's x,y. Pads: shape width x height; smd on the part's side, far side on the other; paste and mask are expansions set on the pad)
0201 [mm] "Data from Kemet datasheet CC101_COM dated 7/28/11"
  rect 0.46x0.42 smd: 1(-0.33,0) 2(0.33,0)
0201_033 [mm] "SMD, 2-Leads, Height 0.33mm"
  rect 0.46x0.42 smd: 1(-0.33,0) 2(0.33,0)
0201_Silk [mm] "Data from Kemet datasheet CC101_COM dated 7/28/11"
  rect 0.46x0.42 smd: 1(-0.33,0) 2(0.33,0)
  silkscreen extent -0.75,-0.4 0.75,0.4
0402 [mm] "0402 from SM-752 data"
  rect 0.8x0.6 smd: 1(-0.6,0) 2(0.6,0)
  silkscreen extent -1.22,-0.52 1.22,0.52
0402_065L [mm] "0402"
  rect 0.6x0.5 smd: 1(-0.5,0) 2(0.5,0)
0402_070 [mil] "SMD, 2-Leads, Body 1.2x0.7mm, Height 0.7mm"
  rect 15x24 smd: 1(-20,0) 2(20,0)
0402L [mm] "0402 from SM-752 data"
  rect 0.6x0.5 smd: 1(-0.5,0) 2(0.5,0)
0402S [mil] "Based on C0402S footprint from PADS legacy"
  rect 15x24 smd: 1(-20,0) 2(20,0)
0603 [mm] "0603 from SM-752 data"
  rect 1x0.95 smd: 1(-0.8,0) 2(0.8,0)
  silkscreen extent -1.52,-0.69 1.52,0.69
0805 [mm] "0805 from SM-752 data"
  rect 1.3x1.5 smd: 1(-0.85,0) 2(0.85,0)
  silkscreen extent -1.72,-0.97 1.72,0.97
0805_HV [mil] "0805 with 30mil clearance between pads"
  rect 50x63 smd: 1(-40,0) 2(40,0)
  silkscreen extent -74,-40 74,40
0805_HV1 [mm] "Custom footprint based on analyzing multiple manufacturer recommendations"
  rrect10% 1x1.25 smd: 1(-1,0) 2(1,0)
  silkscreen extent -0.2,-0.75 0.2,0.75
1206 [mm] "1206 from SM-752 data"
  rect 1.3x1.85 smd: 1(-1.45,0) 2(1.45,0)
  silkscreen extent -2.4,-1.21 2.4,1.21
1206_180 [mm] "1206_180"
  rect 1.1x1.6 smd: 1(-1.7,0) 2(1.7,0)
  silkscreen extent -0.9,-1 0.9,1
2010 [mm] "Chip Capacitor, Body 5.08x2.54mm, IPC Medium Density"
  rect 1.6x2.7 smd: 1(-2.3,0) 2(2.3,0)
  silkscreen extent -3.42,-1.65 3.42,1.65
2010L [mm]
  rect 1.2x2.7 smd: 1(-2.2,0) 2(2.2,0)
  silkscreen extent -1.2,-1.25 1.2,1.25
3528-21 [mm] "Medium Density IPC, based on Kemet datasheet 2016-10-20"
  rrect6% 1.8x2.23 smd: 1(-1.46,0) 2(1.46,0)
  silkscreen extent -2.29,-1.5 0.76,1.5